# Altium PCB 测试板3.PcbDoc
Units mm, origin at the board's own origin, x right, y up, seen from the top; angles counter-clockwise.
Board outline 57 x 98 mm, 2 copper layers (Top Layer, Bottom Layer); 43 components, 129 nets, 327 pads, 85 vias.
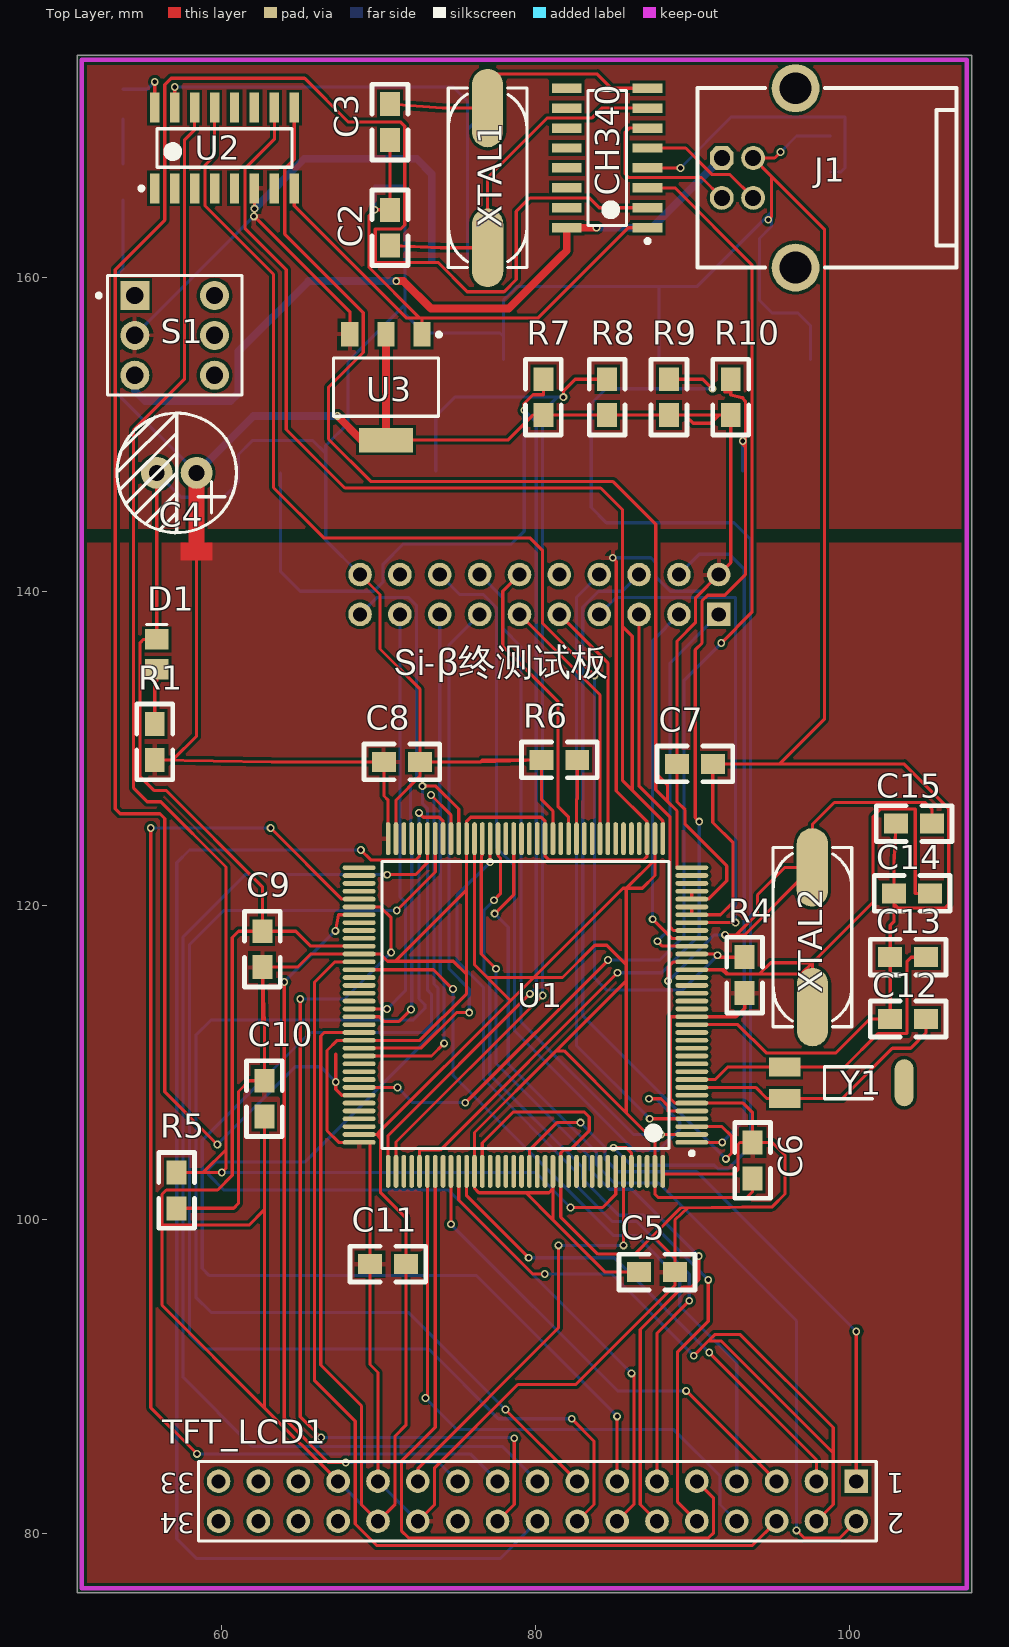
[diagram p0: Top Layer view]
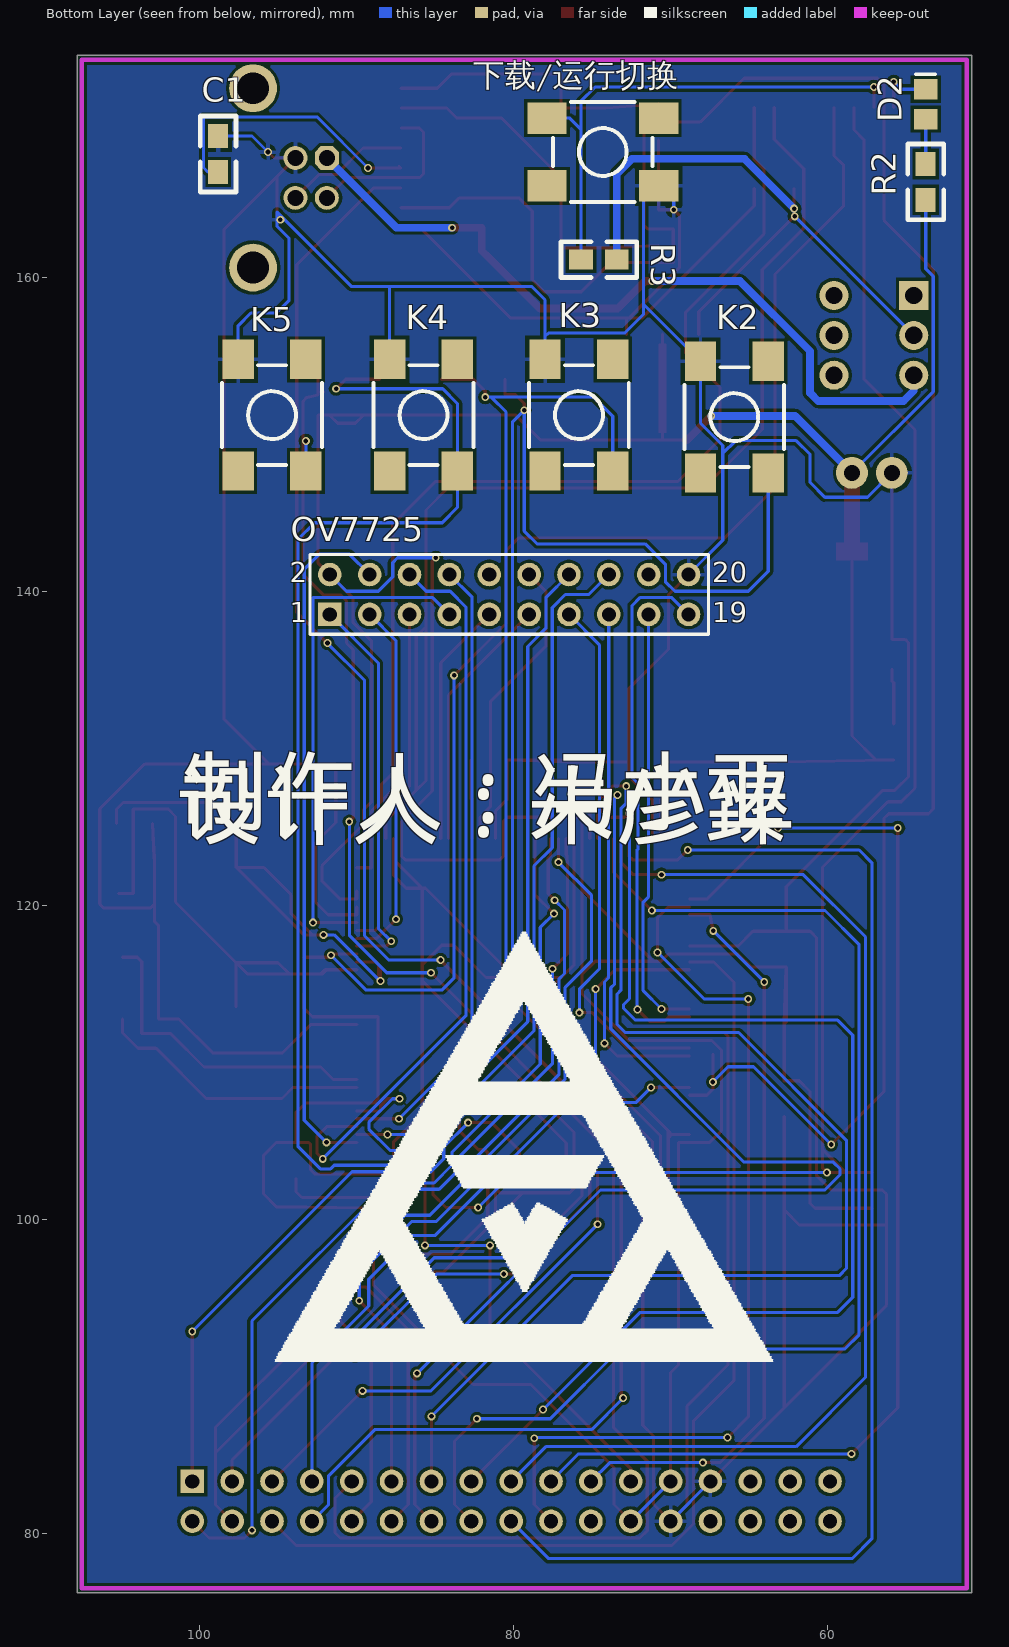
[diagram p1: Bottom Layer view, seen from below]

## Layer stack, top to bottom
Top Solder: solder mask 0.0102, Solder Resist, Dk 3.5
Top Layer: signal copper 0.0356
Dielectric 1: dielectric 0.32, FR-4, Dk 4.8
Bottom Layer: signal copper 0.0356
Bottom Solder: solder mask 0.0102, Solder Resist, Dk 3.5

## Board outline
50.8,76.2 107.8,76.2 107.8,174.2 50.8,174.2

## Design rules (kind name [scope] priority, off if disabled: settings)
Clearance [All] p1: gap=0.2
PlaneConnect [All] p1: planeconnectstyle=Direct reliefexpansion=0.508 reliefentries=4 reliefconductorwidth=0.254 reliefairgap=0.254
PolygonConnect [All] p1: connectstyle=Relief reliefconductorwidth=0.254 reliefentries=4 polygonreliefangle="90 Angle" airgapwidth=0.254
RoutingVias [All] p1: holewidth=0.3 width=0.5 viastyle="Through Hole" minholewidth=0.711 minwidth=1.27 maxholewidth=0.711 maxwidth=1.27
SolderMaskExpansion [All] p1: expansion=0.102
Width [All] p1: maxlimit=1 minlimit=0.2 preferedwidth=0.2
29 further rules are at their usual default settings.

## Components (designator, comment, footprint, x,y, rotation, side; value= is the part's Value field where it differs from the comment)
C1 "Cap" 0805 98.806,166.751 r90 bottom
C2 "CAP" 0805 70.739,164.338 r270 top
C3 "CAP" 0805 70.739,168.783 r90 top
C4 "Cap Pol2" RB.1/.3 58.42,147.574 r0 top
C5 "Cap" 0805 86.614,96.647 r0 top
C6 "Cap" 0805 93.853,102.616 r90 top
C7 "Cap" 0805 91.313,129.032 r180 top
C8 "Cap" 0805 72.644,129.159 r180 top
C9 "Cap" 0805 62.611,118.364 r270 top
C10 "Cap" 0805 62.738,106.553 r90 top
C11 "Cap" 0805 71.755,97.155 r180 top
C12 "CAP" 0805 102.616,112.776 r0 top
C13 "CAP" 0805 102.616,116.713 r0 top
C14 "CAP" 0805 102.87,120.777 r0 top
C15 "CAP" 0805 102.997,125.222 r0 top
CH340 "Component_1" SOIC127P600X170-16N 84.582,167.64 r180 top (schematic designator CH1)
D1 "LED0" LED-0805 55.88,136.017 r90 top
D2 "LED0" LED-0805 53.721,171.069 r90 bottom
J1 "USB" USB_B1 91.853,166.37 r0 top
K1 "button" SW_PB4_A1 74.295,168.021 r180 bottom
K2 "button" SW_PB4_A1 65.913,151.13 r90 bottom
K3 "button" SW_PB4_A1 75.819,151.257 r90 bottom
K4 "button" SW_PB4_A1 85.725,151.257 r90 bottom
K5 "button" SW_PB4_A1 95.377,151.257 r90 bottom
OV7725 "OV7725摄像头" HDR2X10 91.694,138.557 r180 bottom (schematic designator OV1)
R1 "Res2" 0805 55.753,129.286 r90 top
R2 "Res2" 0805 53.721,164.973 r90 bottom
R3 "Res2" 0805 75.692,161.163 r180 bottom
R4 "Res2" 0805 93.345,114.427 r90 top
R5 "Res2" 0805 57.15,100.711 r90 top
R6 "Res2" 0805 80.391,129.286 r0 top
R7 "Res2" 0805 80.518,151.257 r90 top
R8 "Res2" 0805 84.582,151.257 r90 top
R9 "Res2" 0805 88.519,151.257 r90 top
R10 "Res2" 0805 92.456,151.257 r90 top
S1 "SW-SPST" SWITCH_B1 57.023,156.337 r0 top
TFT_LCD1 "Component_1" HDR2X17 100.457,83.312 r180 top
U1 "STM32F103ZET6" TQFP-144 79.375,113.665 r180 top
U2 "STC15W408AS" SOIC127P600X170-16N 60.198,168.275 r90 top
U3 "ASM1117" SOT223 70.485,153.035 r180 top
XTAL1 "CRYSTAL" X-SM49 76.962,166.37 r90 top
XTAL2 "CRYSTAL" X-SM49 97.663,117.983 r90 top
Y1 "32K晶振" X-TC15 95.885,108.712 r90 top

## Footprints (in the part's own frame and the unit in brackets; to place one, negate y for a bottom-side part, rotate by r counter-clockwise, add the part's x,y. Pads: shape width x height; smd on the part's side, far side on the other; paste and mask are expansions set on the pad)
0805 [mil]
  rect 60x50 smd: 1(0,0) 2(90,0)
  silkscreen extent -50,-45 140,45
HDR2X10 [mm] "Connector; Header; 10x2 Position"
  rect 1.5x1.5 hole 0.9: 1(0,0)
  round 1.5 hole 0.9: 2(0,2.54) 3(2.54,0) 4(2.54,2.54) 5(5.08,0) 6(5.08,2.54) 7(7.62,0) 8(7.62,2.54) 9(10.16,0) 10(10.16,2.54) 11(12.7,0) 12(12.7,2.54) 13(15.24,0) 14(15.24,2.54) 15(17.78,0) 16(17.78,2.54) 17(20.32,0) 18(20.32,2.54) 19(22.86,0) 20(22.86,2.54)
  silkscreen extent -1.27,-1.27 24.13,3.81
HDR2X17 [mm] "Connector; Header; 17x2 Position"
  rect 1.5x1.5 hole 0.9: 1(0,0)
  round 1.5 hole 0.9: 2(0,2.54) 3(2.54,0) 4(2.54,2.54) 5(5.08,0) 6(5.08,2.54) 7(7.62,0) 8(7.62,2.54) 9(10.16,0) 10(10.16,2.54) 11(12.7,0) 12(12.7,2.54) 13(15.24,0) 14(15.24,2.54) 15(17.78,0) 16(17.78,2.54) 17(20.32,0) 18(20.32,2.54) 19(22.86,0) 20(22.86,2.54) 21(25.4,0) 22(25.4,2.54) 23(27.94,0) 24(27.94,2.54) 25(30.48,0) 26(30.48,2.54) 27(33.02,0) 28(33.02,2.54) 29(35.56,0) 30(35.56,2.54) 31(38.1,0) 32(38.1,2.54) 33(40.64,0) 34(40.64,2.54)
  silkscreen extent -1.27,-1.27 41.91,3.81
LED-0805 [mm] "贴片LED"
  rect 1.3x1.5 smd: 1(-0.95,0) 2(0.95,0)
  silkscreen extent 1.91,-0.63 1.91,0.64
RB.1/.3 [mil]
  round 80 hole 40: 1(0,0) 2(-100,0)
  silkscreen extent -200,-150 100,150
SOIC127P600X170-16N [mm] "SOIC, 16-Leads, Body 8.6x4.0mm (max), Pitch 1.27mm, IPC Medium Density"
  rect 1.9x0.6 smd: 1(-2.575,4.445) 2(-2.575,3.175) 3(-2.575,1.905) 4(-2.575,0.635) 5(-2.575,-0.635) 6(-2.575,-1.905) 7(-2.575,-3.175) 8(-2.575,-4.445) 9(2.575,-4.445) 10(2.575,-3.175) 11(2.575,-1.905) 12(2.575,-0.635) 13(2.575,0.635) 14(2.575,1.905) 15(2.575,3.175) 16(2.575,4.445)
  silkscreen extent -2.7,-4.3 1.22,5.42, body extent -1.98,-4.28 1.97,4.28, height 1.7
SOT223 [mm]
  rect 1.1x1.55 smd: 1(-2.3,-3.375) 2(0,-3.375) 3(2.3,-3.375)
  rect 3.45x1.55 smd: 4(0,3.375)
  silkscreen extent -3.5,-3.48 3.35,1.85, body extent -3.25,-3.48 3.25,3.48, height 1.7
SW_PB4_A1 [mm]
  rect 2.5x2 smd: 1(-3.556,2.159) 2(-3.556,-2.159) 3(3.556,-2.159) 4(3.556,2.159)
  silkscreen extent -3.17,-3.18 3.17,3.18, body extent -3.18,-3.18 3.18,3.18, height 6
SWITCH_B1 [mm] "单刀"
  rect 1.85x1.85 hole 1.1: 1(-2.54,2.54)
  round 1.85 hole 1.1: 2(-2.54,0) 3(-2.54,-2.54) 4(2.54,-2.54) 5(2.54,0) 6(2.54,2.54)
  silkscreen extent -4.96,-3.81 4.28,3.81
TQFP-144 [mm] "TTM32V103ZET6"
  oval 2.1x0.3 smd: 1(-10.6,8.75) 2(-10.6,8.25) 3(-10.6,7.75) 4(-10.6,7.25) 5(-10.6,6.75) 6(-10.6,6.25) 7(-10.6,5.75) 8(-10.6,5.25) 9(-10.6,4.75) 10(-10.6,4.25) 11(-10.6,3.75) 12(-10.6,3.25) 13(-10.6,2.75) 14(-10.6,2.25) 15(-10.6,1.75) 16(-10.6,1.25) 17(-10.6,0.75) 18(-10.6,0.25) 19(-10.6,-0.25) 20(-10.6,-0.75) 21(-10.6,-1.25) 22(-10.6,-1.75) 23(-10.6,-2.25) 24(-10.6,-2.75) 25(-10.6,-3.25) 26(-10.6,-3.75) 27(-10.6,-4.25) 28(-10.6,-4.75) 29(-10.6,-5.25) 30(-10.6,-5.75) 31(-10.6,-6.25) 32(-10.6,-6.75) 33(-10.6,-7.25) 34(-10.6,-7.75) 35(-10.6,-8.25) 36(-10.6,-8.75) 73(10.6,-8.75) 74(10.6,-8.25) 75(10.6,-7.75) 76(10.6,-7.25) 77(10.6,-6.75) 78(10.6,-6.25) 79(10.6,-5.75) 80(10.6,-5.25) 81(10.6,-4.75) 82(10.6,-4.25) 83(10.6,-3.75) 84(10.6,-3.25) 85(10.6,-2.75) 86(10.6,-2.25) 87(10.6,-1.75) 88(10.6,-1.25) 89(10.6,-0.75) 90(10.6,-0.25) 91(10.6,0.25) 92(10.6,0.75) 93(10.6,1.25) 94(10.6,1.75) 95(10.6,2.25) 96(10.6,2.75) 97(10.6,3.25) 98(10.6,3.75) 99(10.6,4.25) 100(10.6,4.75) 101(10.6,5.25) 102(10.6,5.75) 103(10.6,6.25) 104(10.6,6.75) 105(10.6,7.25) 106(10.6,7.75) 107(10.6,8.25) 108(10.6,8.75)
  oval 0.3x2.1 smd: 37(-8.75,-10.6) 38(-8.25,-10.6) 39(-7.75,-10.6) 40(-7.25,-10.6) 41(-6.75,-10.6) 42(-6.25,-10.6) 43(-5.75,-10.6) 44(-5.25,-10.6) 45(-4.75,-10.6) 46(-4.25,-10.6) 47(-3.75,-10.6) 48(-3.25,-10.6) 49(-2.75,-10.6) 50(-2.25,-10.6) 51(-1.75,-10.6) 52(-1.25,-10.6) 53(-0.75,-10.6) 54(-0.25,-10.6) 55(0.25,-10.6) 56(0.75,-10.6) 57(1.25,-10.6) 58(1.75,-10.6) 59(2.25,-10.6) 60(2.75,-10.6) 61(3.25,-10.6) 62(3.75,-10.6) 63(4.25,-10.6) 64(4.75,-10.6) 65(5.25,-10.6) 66(5.75,-10.6) 67(6.25,-10.6) 68(6.75,-10.6) 69(7.25,-10.6) 70(7.75,-10.6) 71(8.25,-10.6) 72(8.75,-10.6) 109(8.75,10.6) 110(8.25,10.6) 111(7.75,10.6) 112(7.25,10.6) 113(6.75,10.6) 114(6.25,10.6) 115(5.75,10.6) 116(5.25,10.6) 117(4.75,10.6) 118(4.25,10.6) 119(3.75,10.6) 120(3.25,10.6) 121(2.75,10.6) 122(2.25,10.6) 123(1.75,10.6) 124(1.25,10.6) 125(0.75,10.6) 126(0.25,10.6) 127(-0.25,10.6) 128(-0.75,10.6) 129(-1.25,10.6) 130(-1.75,10.6) 131(-2.25,10.6) 132(-2.75,10.6) 133(-3.25,10.6) 134(-3.75,10.6) 135(-4.25,10.6) 136(-4.75,10.6) 137(-5.25,10.6) 138(-5.75,10.6) 139(-6.25,10.6) 140(-6.75,10.6) 141(-7.25,10.6) 142(-7.75,10.6) 143(-8.25,10.6) 144(-8.75,10.6)
  silkscreen extent -10.73,-9.15 9.15,9.57, body extent -10,-10 10,10, height 1.6
USB_B1 [mil] "USB方孔"
  oct 60x60 hole 40: 1(1.26,50)
  round 60 hole 40: 2(1.26,-50) 3(80,-50) 4(80,50)
  round 120 hole 80: 5(186.3,225) 6(186.3,-225)
  silkscreen extent -60,-225 590,225
X-SM49 [mm]
  oval 5x2 smd: 1(4.45,0.004) 2(-4.45,-0.004)
  silkscreen extent -5.7,-2.5 5.72,2.5, body extent -6.7,-2.46 6.7,2.44, height 4
X-TC15 [mm] "圆柱晶振1"
  rect 1.2x2 smd: 1(-1,0) 2(1,0)
  oval 3x1.2 smd: 3(0,-7.62)
  silkscreen extent -1.02,-5.59 1.02,-2.54, body extent -1,-8.29 1,0, height 1.99

## Part data
C1 C5 C6 C7 C8 C9 C10 C11: "Capacitor"
C4: "Polarized Capacitor (Axial)"
D1 D2: "发光二极管"
J1: "USB接口"
R1 R2 R3 R4 R5 R6 R7 R8 R9 R10: "Resistor"
S1: "Single-Pole, Single-Throw Switch"
U3: "3.3V稳压芯片"

## Via types
v1: diameter 0.5, hole 0.3, Top Layer to Bottom Layer, 85 vias

## Nets (pads, with @x,y where several pads share a name; then routed paths per layer and width w, separated by ;. In a path a pad name is that pad's centre, name@x,y a point inside that pad or via, vN(x,y) a via of type N, cw(c..) or ccw(c..) an arc to the next point about the centre after c; other vN are vias at no path point)
3.3V: C4.1 C5.2 C6.2 C7.2 C8.2 C9.2 C10.2 C11.2 OV7725.2 R1.1 R2.1 R4.1 R5.1 R7.1 R8.1 R9.1 R10.1 TFT_LCD1.24 TFT_LCD1.25 U1.6 U1.17 U1.32 U1.33 U1.39 U1.52 U1.62 U1.72 U1.84 U1.95 U1.108 U1.121 U1.131 U1.144 U3.2 U3.4 | length 384.9
  Top Layer w0.2: R5.1 60.778,100.711 61.091,101.024 61.091,108.157 61.773,108.839 C10.2 62.738,112.319 ; C4.1 58.42,130.81 56.896,129.286 R1.1 63.195,129.159 C8.2 70.358,126.988 70.625,126.721 U1.72 ; U3.4@68.932,149.66 69.545,149.66 U3.4 ; TFT_LCD1.25 69.977,90.246 69.469,90.754 C11.2 69.469,104.915 U1.108 67.475,104.915 66.726,105.664 66.726,110.769 67.371,111.415 U1.95 72.645,111.415 75.625,114.395 75.625,115.611 ; U3.2 U3.4 ; TFT_LCD1.24 73.584,81.839 73.584,84.176 78.892,89.484 82.575,89.484 88.9,95.809 C5.2 88.9,97.536 ; U1.121 76.625,104.87 78.613,106.858 83.109,106.858 83.439,106.528 83.439,105.664 82.22,104.445 81.828,104.445 81.625,104.242 U1.131 81.625,100.152 83.987,97.79 86.335,97.79 87.49,98.946 ; v1(84.938,142.164) 85.164,141.937 85.164,127.303 87.125,125.342 U1.39 87.125,123.139 86.896,122.911 80.854,122.911 80.625,123.139 U1.52 80.625,125.374 80.371,125.628 75.879,125.628 75.625,125.374 U1.62 75.625,121.006 ; U1.144 88.125,102.895 92.659,102.895 92.918,103.154 92.918,104.78 93.04,104.902 C6.2 ; U1.33 U1.32 91.034,120.415 92.202,121.583 92.202,122.53 89.547,125.184 89.547,126.099 89.027,126.619 C7.2 89.027,136.855 90.221,138.049 90.221,139.624 OV7725.2 92.456,141.859 R10.1 91.711,151.257 ; R4.1 93.345,113.462 92.798,112.915 U1.17 88.621,112.915 88.621,107.696 88.902,107.415 U1.6 93.244,107.415 93.853,106.806 C6.2 ; C9.2 62.611,112.598 62.733,112.477 ; C9.2 64.847,116.078 65.684,116.915 U1.84 70.129,116.915 70.585,116.458 71.078,116.458 ; C9.2 62.733,112.477 ; 62.733,112.477 62.738,112.319 ; 62.733,112.477 62.738,112.471 62.738,112.319 ; U3.4 78.247,149.66 79.844,151.257 R7.1 R8.1 R9.1 89.544,151.257 ; 71.078,116.458 75.625,121.006 ; 71.078,116.458 74.778,116.458 75.625,115.611 ; 75.625,115.611 75.625,121.006 ; 87.49,98.946 88.9,97.536 ; 87.49,98.946 89.281,100.736 95.098,100.813 ; 88.9,97.536 88.9,99.974 89.738,100.736 95.098,100.813 ; 89.544,151.257 90.068,150.732 91.186,150.732 91.711,151.257 ; 89.544,151.257 91.711,151.257 ; C6.2 95.098,104.902 95.91,104.089 95.91,101.625 95.098,100.813
  Top Layer w0.5: v1(67.386,151.206) U3.4@68.932,149.66
  Bottom Layer w0.2: R2.1 53.721,160.579 53.238,160.096 53.238,152.756 C4.1 ; TFT_LCD1.25 TFT_LCD1.24 ; v1(84.938,142.164) 87.376,142.164 87.681,141.859 87.681,140.945 88.595,140.03 90.627,140.03 OV7725.2
  Bottom Layer w0.5: C4.1 62.052,151.206 v1(67.386,151.206)
ADC: U1.34
ANALOG0: U1.18
ANALOG1: U1.19
ANALOG2: U1.20
ANALOG3: U1.21
ANALOG4: U1.22
ANALOG6: U1.35
ANALOG7: U1.46
ANALOG8: U1.47
BEEP_OE: U1.93
BOOT0: R5.2 U1.138 U2.14 | length 105.3
  Top Layer w0.2: R5.2 58.843,102.997 ; U2.14 58.293,169.443 57.658,168.808 57.658,153.568 54.407,150.317 54.407,127.483 55.27,126.619 56.134,126.619 60.291,122.462 60.291,104.445 ; v1(82.242,100.765) 84.29,100.765 85.125,101.6 U1.138 ; 58.843,102.997 60.291,104.445 ; 58.843,102.997 v1(60.02,102.997) 60.291,103.268 60.291,104.445
  Bottom Layer w0.2: v1(60.02,102.997) 80.01,102.997 v1(82.242,100.765)
CAMERA_D0: OV7725.1 U1.26 | length 24.8
  Top Layer w0.2: v1(87.782,117.729) 88.096,117.415 U1.26
  Bottom Layer w0.2: v1(87.782,117.729) 88.595,118.542 88.595,135.458 OV7725.1
CAMERA_D1: OV7725.3 U1.27 | length 23.1
  Top Layer w0.2: v1(87.478,119.134) 88.696,117.915 U1.27
  Bottom Layer w0.2: v1(87.478,119.134) 87.478,136.881 OV7725.3
CAMERA_D2: OV7725.5 U1.28 | length 22.2
  Top Layer w0.2: OV7725.5 86.614,127.61 88.595,125.628 88.595,118.618 88.798,118.415 U1.28
CAMERA_D3: OV7725.7 U1.29 | length 32.6
  Top Layer w0.2: U1.29 v1(92.761,118.915)
  Bottom Layer w0.2: OV7725.7 85.141,139.624 92.761,139.624 v1(92.761,118.915)
CAMERA_D4: OV7725.9 U1.44 | length 15.6
  Top Layer w0.2: OV7725.9 84.625,135.466 U1.44
CAMERA_D5: OV7725.11 U1.45 | length 16.4
  Top Layer w0.2: OV7725.11 84.125,133.426 U1.45
CAMERA_D6: OV7725.13 U1.96 | length 34.7
  Top Layer w0.2: U1.96 72.713,110.915 74.979,113.181 v1(75.792,113.181)
  Bottom Layer w0.2: v1(75.792,113.181) 75.792,114.681 74.513,115.96 74.513,136.616 OV7725.13
CAMERA_D7: OV7725.15 U1.97 | length 33.2
  Top Layer w0.2: U1.97 73.384,110.415 v1(74.191,111.221)
  Bottom Layer w0.2: OV7725.15 73.914,127.025 73.943,126.996 73.943,115.383 74.191,115.136 v1(74.191,111.221)
CAMERA_OE: OV7725.4 U1.1 | length 44.1
  Top Layer w0.2: U1.1 v1(91.91,104.915)
  Bottom Layer w0.2: OV7725.4 90.449,142.392 92.354,142.392 93.32,141.427 93.32,106.324 v1(91.91,104.915)
CAMERA_RCLK: OV7725.8 U1.4 | length 39.9
  Top Layer w0.2: v1(87.286,106.415) U1.4
  Bottom Layer w0.2: OV7725.8 82.624,139.647 82.624,111.077 v1(87.286,106.415)
CAMERA_RRST: OV7725.6 U1.3 | length 47.8
  Top Layer w0.2: U1.3 91.895,105.915 92.518,105.292 92.518,104.232 v1(92.146,103.861)
  Bottom Layer w0.2: OV7725.6 85.547,140.03 84.027,140.03 83.024,139.027 83.024,112.983 v1(92.146,103.861)
CAMERA_SCL: OV7725.17 U1.91 | length 27.6
  Top Layer w0.2: U1.91 v1(70.557,113.415) v1@70.561,113.411
  Bottom Layer w0.2: v1(70.557,113.415) 71.725,114.583 71.725,120.218 71.374,120.569 OV7725.17
CAMERA_SDA: OV7725.19 U1.92 | length 34
  Top Layer w0.2: U1.92 70.067,112.915 70.358,112.624 71.323,112.624 71.615,112.915 v1(72.085,113.386)
  Bottom Layer w0.2: OV7725.19 69.901,139.624 71.933,139.624 72.441,139.116 72.441,128.176 72.043,127.779 72.043,123.608 72.125,123.526 72.125,113.425 v1(72.085,113.386)
CAMERA_VSYNC: OV7725.12 U1.49 | length 19
  Top Layer w0.2: OV7725.12 77.927,140.03 77.927,136.525 81.458,132.994 81.458,126.296 82.125,125.628 U1.49
CAMERA_WEN: OV7725.16 U1.5 | length 52.4
  Top Layer w0.2: v1(87.249,107.696) 88.013,107.696 88.453,107.256 88.453,106.939 88.477,106.915 U1.5
  Bottom Layer w0.2: OV7725.16 75.184,139.827 76.683,139.827 77.521,138.989 77.521,123.693 78.68,122.534 78.68,112.026 86.312,104.394 87.839,104.394 89.205,105.76 89.205,106.187 87.696,107.696 v1(87.249,107.696)
CAMERA_WRST: OV7725.14 U1.2 | length 43.5
  Top Layer w0.2: v1(88.016,105.415) U1.2
  Bottom Layer w0.2: OV7725.14 77.927,139.624 77.927,137.668 79.08,136.515 79.08,112.607 86.272,105.415 v1(88.016,105.415)
DAC1: U1.40
DGND: C1.2 C2.1 C3.1 C4.2 C5.1 C6.1 C7.1 C8.1 C9.1 C10.1 C11.1 C12.1 C13.1 C14.1 C15.1 CH340.1 D1.2 J1.4 K1.3 K2.4 K3.4 K4.4 K5.4 OV7725.20 R6.1 TFT_LCD1.26 TFT_LCD1.27 U1.16 U1.30 U1.31 U1.38 U1.51 U1.61 U1.71 U1.83 U1.94 U1.107 U1.120 U1.130 U1.143 U2.8 U3.1 | length 585.3
  Top Layer w0.2: C4.2 D1.2 55.031,136.967 54.818,136.754 54.818,128.219 55.697,127.34 56.469,127.34 62.611,121.198 C9.1 ; C10.1 62.738,100.609 ; U2.8 64.643,164.592 71.78,157.455 72.616,157.455 ; TFT_LCD1.27 62.738,88.011 ; U1.107 69.901,105.415 ; U1.94 66.548,111.915 66.326,111.693 66.326,90.722 68.927,88.121 68.927,81.822 TFT_LCD1.26 71.067,81.862 71.067,86.199 71.755,86.887 C11.1 71.755,100.101 70.129,101.727 70.129,105.186 ; U1.83 65.684,117.415 64.735,118.364 C9.1 ; OV7725.20 70.104,139.827 70.104,136.347 72.644,133.807 C8.1 ; C3.1 C2.1 v1(69.774,164.338) 69.404,163.968 69.404,160.667 72.616,157.455 ; U1.71 71.125,126.721 72.644,128.24 C8.1 ; U3.1 72.785,157.455 ; U1.61 76.125,116.23 76.938,115.418 ; U1.130 81.125,101.953 ; U1.51 81.125,126.035 80.391,126.769 R6.1 ; C5.1 84.46,96.647 81.125,99.982 ; CH340.1 85.928,163.195 80.188,157.455 72.785,157.455 ; U1.38 87.625,122.931 ; U1.16 92.913,112.415 94.711,110.617 99.162,110.617 101.321,112.776 C12.1 C13.1 102.616,118.745 102.87,118.999 102.87,120.091 ; U1.31 U1.30 91.804,119.415 92.608,120.219 92.608,124.003 91.313,125.298 C7.1 95.58,129.032 ; C6.1 93.853,101.779 93.472,101.398 87.827,101.398 87.625,101.6 U1.143 87.625,104.958 85.801,106.782 ; v1(94.844,163.703) 95.047,163.906 95.047,166.478 ; v1(95.631,168.021) 95.25,167.64 J1.4 95.047,166.478 ; C15.1 102.879,123.021 102.87,122.86 C14.1 102.87,120.091 ; 56.21,99.644 61.773,99.644 62.738,100.609 ; 56.21,99.644 56.21,94.539 62.738,88.011 ; 56.21,99.644 56.21,101.6 56.49,101.879 59.757,101.879 60.691,102.813 60.691,117.968 61.087,118.364 C9.1 ; 62.738,88.011 62.738,100.609 ; 69.901,105.415 70.129,105.186 ; 69.901,105.415 70.129,105.644 ; 70.129,105.186 70.129,105.644 ; 70.129,105.644 78.421,113.935 ; 72.616,157.455 72.785,157.455 ; C8.1 76.378,129.159 ; 76.378,129.159 76.53,129.159 76.535,129.164 ; 76.378,129.159 76.535,129.164 ; 76.535,129.164 76.657,129.286 R6.1 ; 76.535,129.164 R6.1 ; 76.938,115.418 78.421,113.935 ; 76.938,115.418 79.903,115.418 ; 78.421,113.935 79.903,115.418 ; 79.405,101.702 76.403,101.702 76.125,101.98 U1.120 76.125,105.538 81.331,110.744 ; 79.405,101.702 80.874,101.702 81.125,101.953 ; 79.405,101.702 81.125,99.982 ; 79.903,115.418 85.593,121.107 85.801,121.107 ; 79.903,115.418 81.737,115.418 83.795,117.475 84.557,117.475 85.801,116.23 ; 81.125,99.982 81.125,101.953 ; 81.331,110.744 81.839,110.744 85.801,106.782 ; 81.331,110.744 85.801,115.214 ; 85.801,106.782 85.801,115.214 ; 85.801,115.214 85.801,116.23 ; 85.801,116.23 85.801,121.107 ; 85.801,121.107 87.625,122.931 ; 85.801,121.107 86.812,121.107 87.625,121.92 87.625,122.931 ; 95.047,166.478 98.425,163.1 98.425,131.877 95.58,129.032 ; 95.58,129.032 103.48,129.032 106.35,126.162 106.35,120.091 106.096,119.837 103.124,119.837 102.87,120.091
  Bottom Layer w0.2: C4.2 57.429,146.025 60.147,146.025 61.087,146.964 61.087,148.742 61.976,149.631 65.837,149.631 66.65,148.819 ; TFT_LCD1.27 TFT_LCD1.26 ; OV7725.20 66.65,143.281 66.65,148.819 ; v1(69.774,164.338) 69.774,165.862 K1.3 71.704,165.862 71.704,158.318 ; K3.4 77.978,156.261 ; K4.4 87.884,159.461 ; v1(95.631,168.021) 96.647,169.037 C1.2 ; K5.4 97.536,156.947 96.723,157.759 95.098,157.759 94.285,158.572 94.285,162.509 95.047,163.271 95.047,164.186 90.322,159.461 87.884,159.461 ; 66.65,148.819 66.65,149.319 68.072,150.742 K2.4 71.704,158.318 ; 71.704,158.318 71.704,157.683 72.898,156.489 77.749,156.489 77.978,156.261 ; 77.978,156.261 77.978,158.598 78.842,159.461 87.884,159.461
DS18B20_DATA: U1.105
FLASH_CS: U1.100
FSMC_A0: U1.10
FSMC_A1: U1.11
FSMC_A2: U1.12
FSMC_A3: U1.13
FSMC_A4: U1.14
FSMC_A5: U1.15
FSMC_A6: U1.50
FSMC_A7: U1.53
FSMC_A8: U1.54
FSMC_A9: U1.55
FSMC_A10: TFT_LCD1.2 U1.56 | length 58.6
  Top Layer w0.2: v1(77.41,119.486) 78.625,120.701 U1.56 ; v1(96.647,80.188) 97.13,79.705 99.39,79.705 TFT_LCD1.2
  Bottom Layer w0.2: v1(77.41,119.486) 78.28,118.616 78.28,109.906 83.903,104.283 83.903,103.467 85.043,102.327 87.858,102.327 96.647,93.538 v1(96.647,80.188)
FSMC_A11: U1.57
FSMC_A12: U1.87
FSMC_A13: U1.88
FSMC_A14: U1.89
FSMC_A15: U1.90
FSMC_A16: U1.80
FSMC_A17: U1.81
FSMC_A18: U1.82
FSMC_CLK: TFT_LCD1.5 U1.117 | length 30.9
  Top Layer w0.2: v1(74.625,99.695) U1.117 ; v1(89.611,89.078) TFT_LCD1.5
  Bottom Layer w0.2: v1(74.625,99.695) 85.242,89.078 v1(89.611,89.078)
FSMC_D0: TFT_LCD1.6 U1.85 | length 67
  Top Layer w0.2: U1.85 67.241,116.415 65.926,115.1 65.926,89.751 68.527,87.15 68.527,80.596 69.901,79.223 93.828,79.223 TFT_LCD1.6
FSMC_D1: TFT_LCD1.7 U1.86 | length 46.2
  Top Layer w0.2: U1.86 73.518,115.915 v1(74.752,114.681)
  Bottom Layer w0.2: v1(74.752,114.681) 74.752,109.207 84.976,98.983 86.427,98.983 89.208,96.202 89.208,94.488 92.837,90.859 TFT_LCD1.7
FSMC_D2: TFT_LCD1.8 U1.114 | length 38.7
  Top Layer w0.2: v1(73,88.621) 73.125,88.746 U1.114
  Bottom Layer w0.2: v1(73,88.621) 75.009,86.611 88.826,86.611 91.77,83.668 91.77,81.839 TFT_LCD1.8
FSMC_D3: TFT_LCD1.9 U1.115 | length 47.7
  Top Layer w0.2: U1.115 73.625,86.757 71.467,84.599 71.467,80.171 71.933,79.705 91.034,79.705 91.364,80.035 91.364,82.245 TFT_LCD1.9
FSMC_D4: TFT_LCD1.10 U1.58 | length 52.2
  Top Layer w0.2: v1(77.368,120.345) 77.775,120.752 77.775,123.032 77.625,123.182 U1.58 ; TFT_LCD1.10 89.052,82.017 89.052,91.542 91.02,93.509 v1(91.02,96.152)
  Bottom Layer w0.2: v1(77.368,120.345) 76.742,119.718 76.742,115.675 77.098,115.318 77.098,109.226 83.007,103.317 83.007,102.588 85.328,100.267 86.904,100.267 v1(91.02,96.152)
FSMC_D5: TFT_LCD1.11 U1.59 | length 49.7
  Top Layer w0.2: v1(77.125,122.769) U1.59 ; TFT_LCD1.11 87.757,92.761 v1(89.814,94.818)
  Bottom Layer w0.2: v1(77.125,122.769) 75.006,120.65 75.006,116.484 76.698,114.793 76.698,108.948 82.596,103.049 82.596,102.177 84.907,99.867 86.472,99.867 89.814,96.525 v1(89.814,94.818)
FSMC_D6: TFT_LCD1.12 U1.60 | length 52.4
  Top Layer w0.2: U1.60 76.625,123.215 76.581,123.215 76.581,122.936 76.556,122.911 76.556,116.916 v1(77.498,115.974) ; TFT_LCD1.12 86.69,81.839 86.69,92.989 89.408,95.707 89.962,95.707 90.421,96.166 v1(90.421,97.661)
  Bottom Layer w0.2: v1(77.498,115.974) 77.498,109.958 83.488,103.968 83.488,103.169 84.729,101.927 86.155,101.927 v1(90.421,97.661)
FSMC_D7: TFT_LCD1.13 U1.63 | length 80.6
  Top Layer w0.2: v1(72.805,127.614) 73.669,127.614 75.125,126.158 U1.63 ; TFT_LCD1.13 v1(85.217,87.452)
  Bottom Layer w0.2: v1(72.805,127.614) 72.805,126.514 73.143,126.176 73.143,114.595 73.391,114.348 73.391,112.436 72.868,111.913 65.641,111.913 58.776,105.048 58.776,96.876 59.233,96.418 76.25,96.418 v1(85.217,87.452)
FSMC_D8: TFT_LCD1.14 U1.64 | length 79.2
  Top Layer w0.2: v1(73.355,127.051) 74.625,125.781 U1.64 ; TFT_LCD1.14 86.284,81.839 86.284,90.042 v1(86.131,90.194)
  Bottom Layer w0.2: v1(73.355,127.051) 73.543,126.863 73.543,115.002 73.791,114.754 73.791,112.149 65.3,103.657 59.614,103.657 59.182,103.226 59.182,102.845 60.147,101.879 74.446,101.879 v1(86.131,90.194)
FSMC_D9: TFT_LCD1.15 U1.65 | length 76.6
  Top Layer w0.2: v1(72.593,125.908) 72.873,125.628 73.871,125.628 74.125,125.374 U1.65 ; v1(78.105,87.884) TFT_LCD1.15
  Bottom Layer w0.2: v1(72.593,125.908) 72.593,114.071 72.974,113.69 72.974,113.462 72.212,112.7 59.334,112.7 58.369,111.735 58.369,95.047 59.334,94.082 71.907,94.082 v1(78.105,87.884)
FSMC_D10: TFT_LCD1.16 U1.66 | length 78.7
  Top Layer w0.2: v1(71.171,119.685) 73.625,122.139 U1.66 ; v1(82.321,87.3) 83.744,85.877 83.744,81.839 TFT_LCD1.16
  Bottom Layer w0.2: v1(71.171,119.685) 60.141,119.685 57.963,117.507 57.963,92.659 58.877,91.745 73.203,91.745 77.648,87.3 v1(82.321,87.3)
FSMC_D11: TFT_LCD1.17 U1.67 | length 72.5
  Top Layer w0.2: v1(70.561,121.971) 72.365,121.971 73.125,122.731 U1.67
  Bottom Layer w0.2: v1(70.561,121.971) 61.519,121.971 57.556,118.008 57.556,89.941 61.976,85.522 77.927,85.522 TFT_LCD1.17
FSMC_D12: TFT_LCD1.18 U1.68 | length 84.9
  Top Layer w0.2: v1(68.885,123.546) 69.52,122.911 72.396,122.911 72.625,123.139 U1.68
  Bottom Layer w0.2: v1(68.885,123.546) 57.963,123.546 57.15,122.733 57.15,79.654 58.42,78.384 77.749,78.384 TFT_LCD1.18
FSMC_D13: TFT_LCD1.19 U1.77 | length 76.1
  Top Layer w0.2: v1(55.499,124.943) 55.499,88.011 v1(58.448,85.062) ; v1(63.138,124.943) 67.666,120.415 U1.77
  Bottom Layer w0.2: v1(55.499,124.943) v1(63.138,124.943) ; v1(58.448,85.062) 75.847,85.062 TFT_LCD1.19
FSMC_D14: TFT_LCD1.20 U1.78 | length 58.1
  Top Layer w0.2: v1(65.024,114.046) 65.024,87.427 v1(66.345,86.106) ; U1.78 70.129,119.915 70.815,119.229 v1(70.815,117.018) ; TFT_LCD1.20 78.664,81.839 v1(78.664,86.055)
  Bottom Layer w0.2: v1(65.024,114.046) 67.843,114.046 v1(70.815,117.018) ; v1(66.345,86.106) 78.613,86.106 v1(78.664,86.055)
FSMC_D15: TFT_LCD1.21 U1.79 | length 47.5
  Top Layer w0.2: v1(64.008,115.138) 64.008,87.325 66.827,84.506 v1(67.92,84.506) ; v1(67.259,118.389) 67.462,119.415 U1.79
  Bottom Layer w0.2: v1(64.008,115.138) v1(67.259,118.389) ; v1(67.92,84.506) 73.863,84.506 TFT_LCD1.21
FSMC_NBL0: U1.141
FSMC_NBL1: U1.142
FSMC_NCE4: U1.125
FSMC_NE4: TFT_LCD1.1 U1.127 | length 38.4
  Top Layer w0.2: U1.127 79.625,104.419 81.378,106.172 v1(82.88,106.172) ; TFT_LCD1.1 v1(100.457,92.862)
  Bottom Layer w0.2: v1(82.88,106.172) 84.434,104.618 84.434,103.867 85.262,103.04 90.28,103.04 v1(100.457,92.862)
FSMC_NOE: TFT_LCD1.4 U1.118 | length 50.1
  Top Layer w0.2: U1.118 75.125,101.237 79.835,96.527 v1(80.603,96.527) ; v1(90.094,91.313) 91.034,92.253 ; TFT_LCD1.4 98.984,81.839 98.984,85.115 ; 91.034,92.253 91.846,92.253 98.984,85.115 ; 91.034,92.253 91.44,92.659 93.066,92.659 98.984,86.741 98.984,85.115
  Bottom Layer w0.2: v1(80.603,96.527) 84.88,96.527 v1(90.094,91.313)
FSMC_NWE: TFT_LCD1.3 U1.119 | length 32.2
  Top Layer w0.2: U1.119 75.625,101.515 v1(79.578,97.561) ; v1(91.084,91.516) 97.917,84.684 TFT_LCD1.3
  Bottom Layer w0.2: v1(79.578,97.561) 85.039,97.561 v1(91.084,91.516)
GPIO_OUT_0: K2.2 R7.2 U1.109 | length 87.9
  Top Layer w0.2: U1.109 70.625,105.347 v1(79.654,114.376) ; v1(79.299,151.562) 79.299,151.994 79.858,152.552 80.518,152.552 R7.2
  Bottom Layer w0.2: K2.2 63.754,141.3 65.024,140.03 69.698,140.03 70.307,140.64 70.307,141.757 71.603,143.053 78.486,143.053 79.299,143.866 v1(79.299,151.562) 80.061,150.8 80.061,114.783 v1(79.654,114.376)
GPIO_OUT_1: K3.2 R8.2 U1.110 | length 69.6
  Top Layer w0.2: U1.110 71.125,104.932 v1(80.467,114.275) ; v1(81.788,152.4) 81.788,152.781 82.55,153.543 R8.2
  Bottom Layer w0.2: K3.2 73.66,151.181 74.778,152.298 74.879,152.4 v1(81.788,152.4) 81.407,152.4 80.467,151.46 v1(80.467,114.275)
GPIO_OUT_2: K4.2 R9.2 U1.140 | length 79.8
  Top Layer w0.2: v1(84.988,104.572) 85.795,104.572 86.125,104.242 U1.140 ; R9.2 90.678,153.543 v1(91.288,152.933)
  Bottom Layer w0.2: v1(84.988,104.572) 86.106,103.454 91.415,103.454 91.643,103.226 92.291,103.226 93.726,104.66 93.726,143.332 92.659,144.399 84.531,144.399 83.566,145.364 K4.2 83.566,151.994 84.506,152.933 v1(91.288,152.933)
GPIO_OUT_3: K5.2 R10.2 U1.113 | length 65.8
  Top Layer w0.2: U1.113 72.625,104.419 73.939,104.419 v1(85.242,115.722) ; v1(90.449,125.349) 90.195,125.603 90.195,136.296 90.627,136.728 90.627,139.421 90.983,139.776 92.075,139.776 93.391,141.092 93.391,149.225 ; 92.075,152.73 92.456,152.73 ; R10.2 92.456,152.73 ; v1(93.218,149.606) 93.218,149.398 93.391,149.225 ; 92.456,152.73 92.456,152.527 93.218,152.361 93.218,152.316 93.391,152.143 93.391,149.225
  Bottom Layer w0.2: v1(85.242,115.722) 88.062,115.722 90.449,118.11 v1(90.449,125.349) ; K5.2 v1(93.218,149.606)
GPIO_OUT_4: U1.116
GPIO_OUT_5: U1.122
GPIO_OUT_6: U1.123
GPIO_OUT_7: U1.124
GPIO_OUT_8: U1.126
GPIO_OUT_9: U1.128
GPIO_OUT_10: U1.129
IIC1_SCL: U1.136
IIC1_SDA: U1.137
IIC2_SCL: U1.69
IIC2_SDA: U1.70
LCD_BK: TFT_LCD1.23 U1.139 | length 27.6
  Top Layer w0.2: TFT_LCD1.23 72.517,84.125 81.483,93.091 v1(81.483,98.349) ; v1(85.625,98.349) U1.139
  Bottom Layer w0.2: v1(81.483,98.349) v1(85.625,98.349)
LCD_LED: 
NetC1_1: C1.1 CH340.4 | length 18.4
  Top Layer w0.2: CH340.4@87.284,167.132 CH340.4 v1(89.256,167.005)
  Bottom Layer w0.2: v1(89.256,167.005) 92.507,170.256 99.746,170.256 99.746,167.03 99.466,166.751 C1.1
NetCH1_5: CH340.5 J1.3 | length 8
  Top Layer w0.2: CH340.5 89.578,168.275 91.275,166.578 92.407,166.578 J1.3
NetCH1_6: CH340.6 J1.2 | length 11
  Top Layer w0.2: CH340.6 86.589,169.545 85.979,169.545 85.725,169.291 85.725,166.624 85.954,166.395 90.59,166.395 J1.2
NetCH1_16: CH340.16 J1.1 S1.3 | length 48.9
  Top Layer w0.5: v1(71.145,159.791) 71.603,159.791 73.351,158.043 78.312,158.043 81.581,161.311 82.007,161.738 CH340.16 83.617,163.195 v1(83.896,163.195)
  Bottom Layer w0.5: S1.3 54.483,152.806 55.143,152.146 60.569,152.146 61.087,152.664 61.087,155.321 65.557,159.791 v1(71.145,159.791) ; v1(83.896,163.195) 87.44,163.195 J1.1
NetD1_1: D1.1 R1.2 | length 3.5
  Top Layer w0.2: R1.2 55.753,134.199 55.88,134.326 D1.1
NetD2_1: D2.1 R2.2 | length 2.9
  Bottom Layer w0.2: R2.2 D2.1
NetD2_2: D2.2 U2.16 | length 3.9
  Top Layer w0.2: U2.16 v1(55.753,172.491)
  Bottom Layer w0.2: D2.2 55.281,172.019 v1(55.753,172.491)
NetK1_1: K1.1 R3.1 U2.15 | length 32.9
  Top Layer w0.2: U2.15 v1(57.023,172.161)
  Bottom Layer w0.2: v1(57.023,172.161) 74.778,172.161 75.692,171.247 75.692,169.469 ; R3.1 75.692,169.469 ; K1.1 76.403,170.18 75.692,169.469
NetR6_2: R6.2 U1.48 | length 5.2
  Top Layer w0.2: U1.48 82.625,126.745 ; R6.2 82.677,126.849 ; 82.625,126.745 82.677,126.797 82.677,126.849 ; 82.625,126.745 82.625,126.797 82.677,126.849
NRST: R4.2 U1.25 U2.13 | length 86.5
  Top Layer w0.2: U2.13 59.563,167.792 58.953,167.183 58.953,164.592 63.322,160.223 63.322,146.634 66.523,143.434 79.654,143.434 80.467,142.621 80.467,137.973 v1(83.769,134.671) ; U1.25 91.542,116.915 v1(91.617,116.839) v1@91.744,116.713 ; v1@91.491,116.713 v1@91.744,116.713 ; R4.2 v1@91.744,116.713
  Bottom Layer w0.2: v1(83.769,134.671) 83.769,115.392 84.531,114.63 89.408,114.63 v1(91.617,116.839)
OSC32_IN: C12.2 U1.8 Y1.1 | length 17.8
  Top Layer w0.2: U1.8 94.039,108.415 94.742,107.712 Y1.1 99.559,107.712 102.759,110.912 103.916,110.912 104.902,111.898 C12.2
OSC32_OUT: C13.2 U1.9 Y1.2 | length 20.8
  Top Layer w0.2: U1.9 91.465,108.915 92.262,109.712 Y1.2 99.706,109.712 101.835,111.841 103.678,111.841 103.678,116.434 103.957,116.713 C13.2
OSC_IN: C14.2 U1.23 XTAL2.2 | length 35.2
  Top Layer w0.2: U1.23 91.882,115.915 ; XTAL2.2 97.667,116.357 ; C14.2 104.216,120.777 104.216,126.162 102.006,126.162 101.524,125.679 101.524,120.218 97.667,116.362 ; 91.882,115.915 92.151,115.646 92.278,115.646 ; 91.882,115.915 92.009,115.915 92.278,115.646 ; 92.278,115.646 94.285,115.646 ; 94.285,115.646 94.996,116.357 97.663,116.357 ; 94.285,115.646 96.952,115.646 97.663,116.357 ; 97.663,116.357 97.667,116.357 ; 97.663,116.357 97.667,116.362 ; 97.667,116.357 97.667,116.362
OSC_OUT: C15.2 U1.24 XTAL2.1 | length 35.2
  Top Layer w0.2: U1.24 88.798,116.415 88.595,116.212 ; v1(92.1,118.135) 92.812,118.135 ; C15.2 105.283,126.136 104.851,126.568 99.056,126.568 97.659,125.171 XTAL2.1 ; 88.595,116.212 88.595,115.316 v1(88.468,115.189) 88.468,116.085 88.595,116.212 ; 92.812,118.135 94.158,119.482 94.158,120.68 95.91,122.433 XTAL2.1 ; 92.812,118.135 93.361,118.135 XTAL2.1
  Bottom Layer w0.2: v1(88.468,115.189) 91.415,118.135 v1(92.1,118.135)
PWM1: U1.98
PWM2: U1.99
RXD: U1.36 U2.9 | length 73
  Top Layer w0.2: U2.9 64.643,167.564 64.033,166.954 64.033,162.789 69.037,157.785 69.037,155.245 66.827,153.035 66.827,149.725 69.538,147.015 84.963,147.015 87.681,144.297 87.681,128.436 ; U1.36 89.027,122.415 89.027,126.035 88.417,126.644 ; 87.681,128.436 88.417,127.699 88.417,126.644 ; 87.681,128.436 87.681,127.381 88.417,126.644
SPI1_CSK: U1.41
SPI1_MISO: U1.42
SPI1_MOSI: U1.43
SPI2_MISO: U1.75
SPI2_MOSI: U1.76
SPI2_SCK: U1.74
TF_CS: U1.132
TF_MISO: U1.134
TF_MOSI: U1.135
TF_SCK: U1.133
TOUCH_CS: U1.73
TXD: U1.37 U2.10 | length 78.6
  Top Layer w0.2: U2.10 63.373,168.834 61.493,166.954 61.493,163.17 64.135,160.528 64.135,150.343 67.869,146.609 84.167,146.609 85.564,145.212 85.564,137.778 ; U1.37 88.125,125.4 86.182,127.343 ; 85.564,137.778 86.182,137.16 86.182,127.343 ; 85.564,137.778 85.564,127.961 86.182,127.343
USART1_RXD: CH340.2 U1.102 | length 137.5
  Top Layer w0.2: v1(59.741,104.775) 56.386,108.13 56.386,125.554 56.083,125.857 53.543,125.857 53.238,126.162 53.238,160.528 56.388,163.678 56.388,172.314 56.794,172.72 65.303,172.72 68.097,169.926 71.425,169.926 71.679,169.672 71.679,163.373 71.425,163.119 69.804,163.119 69.804,160.985 73.801,160.985 75.667,159.12 78.018,159.12 78.791,159.893 78.791,164.236 79.654,165.1 83.439,165.1 84.074,164.465 CH340.2 ; 67.285,110.541 v1(67.285,108.763) 67.285,108.296 67.666,107.915 U1.102
  Bottom Layer w0.2: v1(59.741,104.775) 64.694,109.728 66.319,109.728 v1(67.285,108.763)
USART1_TXD: CH340.3 U1.101 | length 91.7
  Top Layer w0.2: U1.101 v1@71.061,108.415 ; v1@71.12,108.356 v1@71.061,108.415 ; v1(71.222,108.415) v1@71.061,108.415 ; v1@75.54,107.391 v1@84.684,116.535 ; v1(75.54,107.442) v1(84.633,116.535) ; CH340.3 88.9,165.735 93.802,160.833 93.802,138.684 v1(91.846,136.728)
  Bottom Layer w0.2: v1(71.222,108.415) 72.195,107.442 v1(75.54,107.442) ; v1(84.633,116.535) 87.935,116.535 89.484,118.085 89.484,134.366 v1(91.846,136.728)
USART3_RXD: U1.112
USART3_TXD: U1.111
USBDM: U1.103
USBDP: U1.104
VCC: R3.2 S1.2 U2.6 U3.3 | length 41
  Top Layer w0.2: v1(62.068,163.922) v1@62.103,163.922 ; U2.6 v1(62.103,164.414) v1@62.103,163.922 ; U3.3 68.185,157.84 v1@62.103,163.922
  Bottom Layer w0.2: S1.2 v1(62.068,163.922)
  Bottom Layer w0.5: v1(62.103,164.414) 65.278,167.589 72.441,167.589 73.406,166.624 R3.2
XI: C2.2 CH340.7 XTAL1.2 | length 22.7
  Top Layer w0.2: C2.2 73.97,161.92 XTAL1.2 76.966,166.4 80.747,170.18 83.591,170.18 84.226,170.815 CH340.7
XO: C3.2 CH340.8 XTAL1.1 | length 19
  Top Layer w0.2: C3.2 74.087,170.82 XTAL1.1 76.958,172.999 83.922,172.999 84.836,172.085 CH340.8
pads on no net: CH340.9 CH340.10 CH340.11 CH340.12 CH340.13 CH340.14 CH340.15 J1.5 J1.6 K1.2 K1.4 K2.1 K2.3 K3.1 K3.3 K4.1 K4.3 K5.1 K5.3 OV7725.10 OV7725.18 S1.1 S1.4 S1.5 S1.6 TFT_LCD1.22 TFT_LCD1.28 TFT_LCD1.29 TFT_LCD1.30 TFT_LCD1.31 TFT_LCD1.32 TFT_LCD1.33 TFT_LCD1.34 U1.7 U1.106 U2.1 U2.2 U2.3 U2.4 U2.5 U2.7 U2.11 U2.12 Y1.3

## Polygon pours and split planes (outlines as drawn)
VCC on Top Layer "Bottom Layer-No Net" (solid, pour order 0): 51.1,173.9 107.5,173.9 107.5,144.018 51.1,144.018
3.3V on Top Layer "Bottom Layer-No Net" (solid, pour order 2): 51.1,143.129 107.315,143.129 107.442,143.256 107.5,143.198 107.5,76.5 51.1,76.5
DGND on Bottom Layer "Bottom Layer-No Net" (solid, pour order 4): 51.1,173.9 107.5,173.9 107.5,76.5 51.1,76.5

## Keep-outs
Keep-Out Layer:
  lines w0.3: 51.1,76.5 51.1,173.9 107.5,173.9 107.5,76.5 51.1,76.5

## Other copper
Top Layer:
  rectangle net 3.3V: 57.404,141.986 59.436,143.129
  rectangle net 3.3V: 70.231,150.114 70.739,155.829
  rectangle net 3.3V: 57.912,142.494 58.928,147.447

## Silkscreen, mask and mechanical layers (free items; w line width, h text height)
Top Overlay:
  text "Si-β终测试板" at 70.993,134.112 h3
Bottom Overlay:
  drawing of 639 lines, arcs and shapes, not listed
  text "下载/运行切换" at 82.55,171.704 h2.52
  text "制作人：冯小亚" at 101.218,123.933 h7
  text "设计人：朱彦臻" at 101.524,123.063 h7

## Dimensions
51.1,76.5 to 51.1,173.9 on Mechanical 1
51.1,76.5 to 107.5,76.5 on Mechanical 1

## Text inside footprints (layer, text, board x,y; h text height)
OV7725: Bottom Overlay "2" at 94.234,140.589 h1.27; Bottom Overlay "1" at 94.234,138.049 h1.27; Bottom Overlay "19" at 67.31,138.049 h1.27; Bottom Overlay "20" at 67.31,140.589 h1.27
TFT_LCD1: Top Overlay "34" at 58.293,81.28 h1.27 r180; Top Overlay "33" at 58.293,83.82 h1.27 r180; Top Overlay "1" at 103.505,83.82 h1.27 r180; Top Overlay "2" at 103.505,81.28 h1.27 r180